# KiCad board pcb.kicad_pcb (continued)
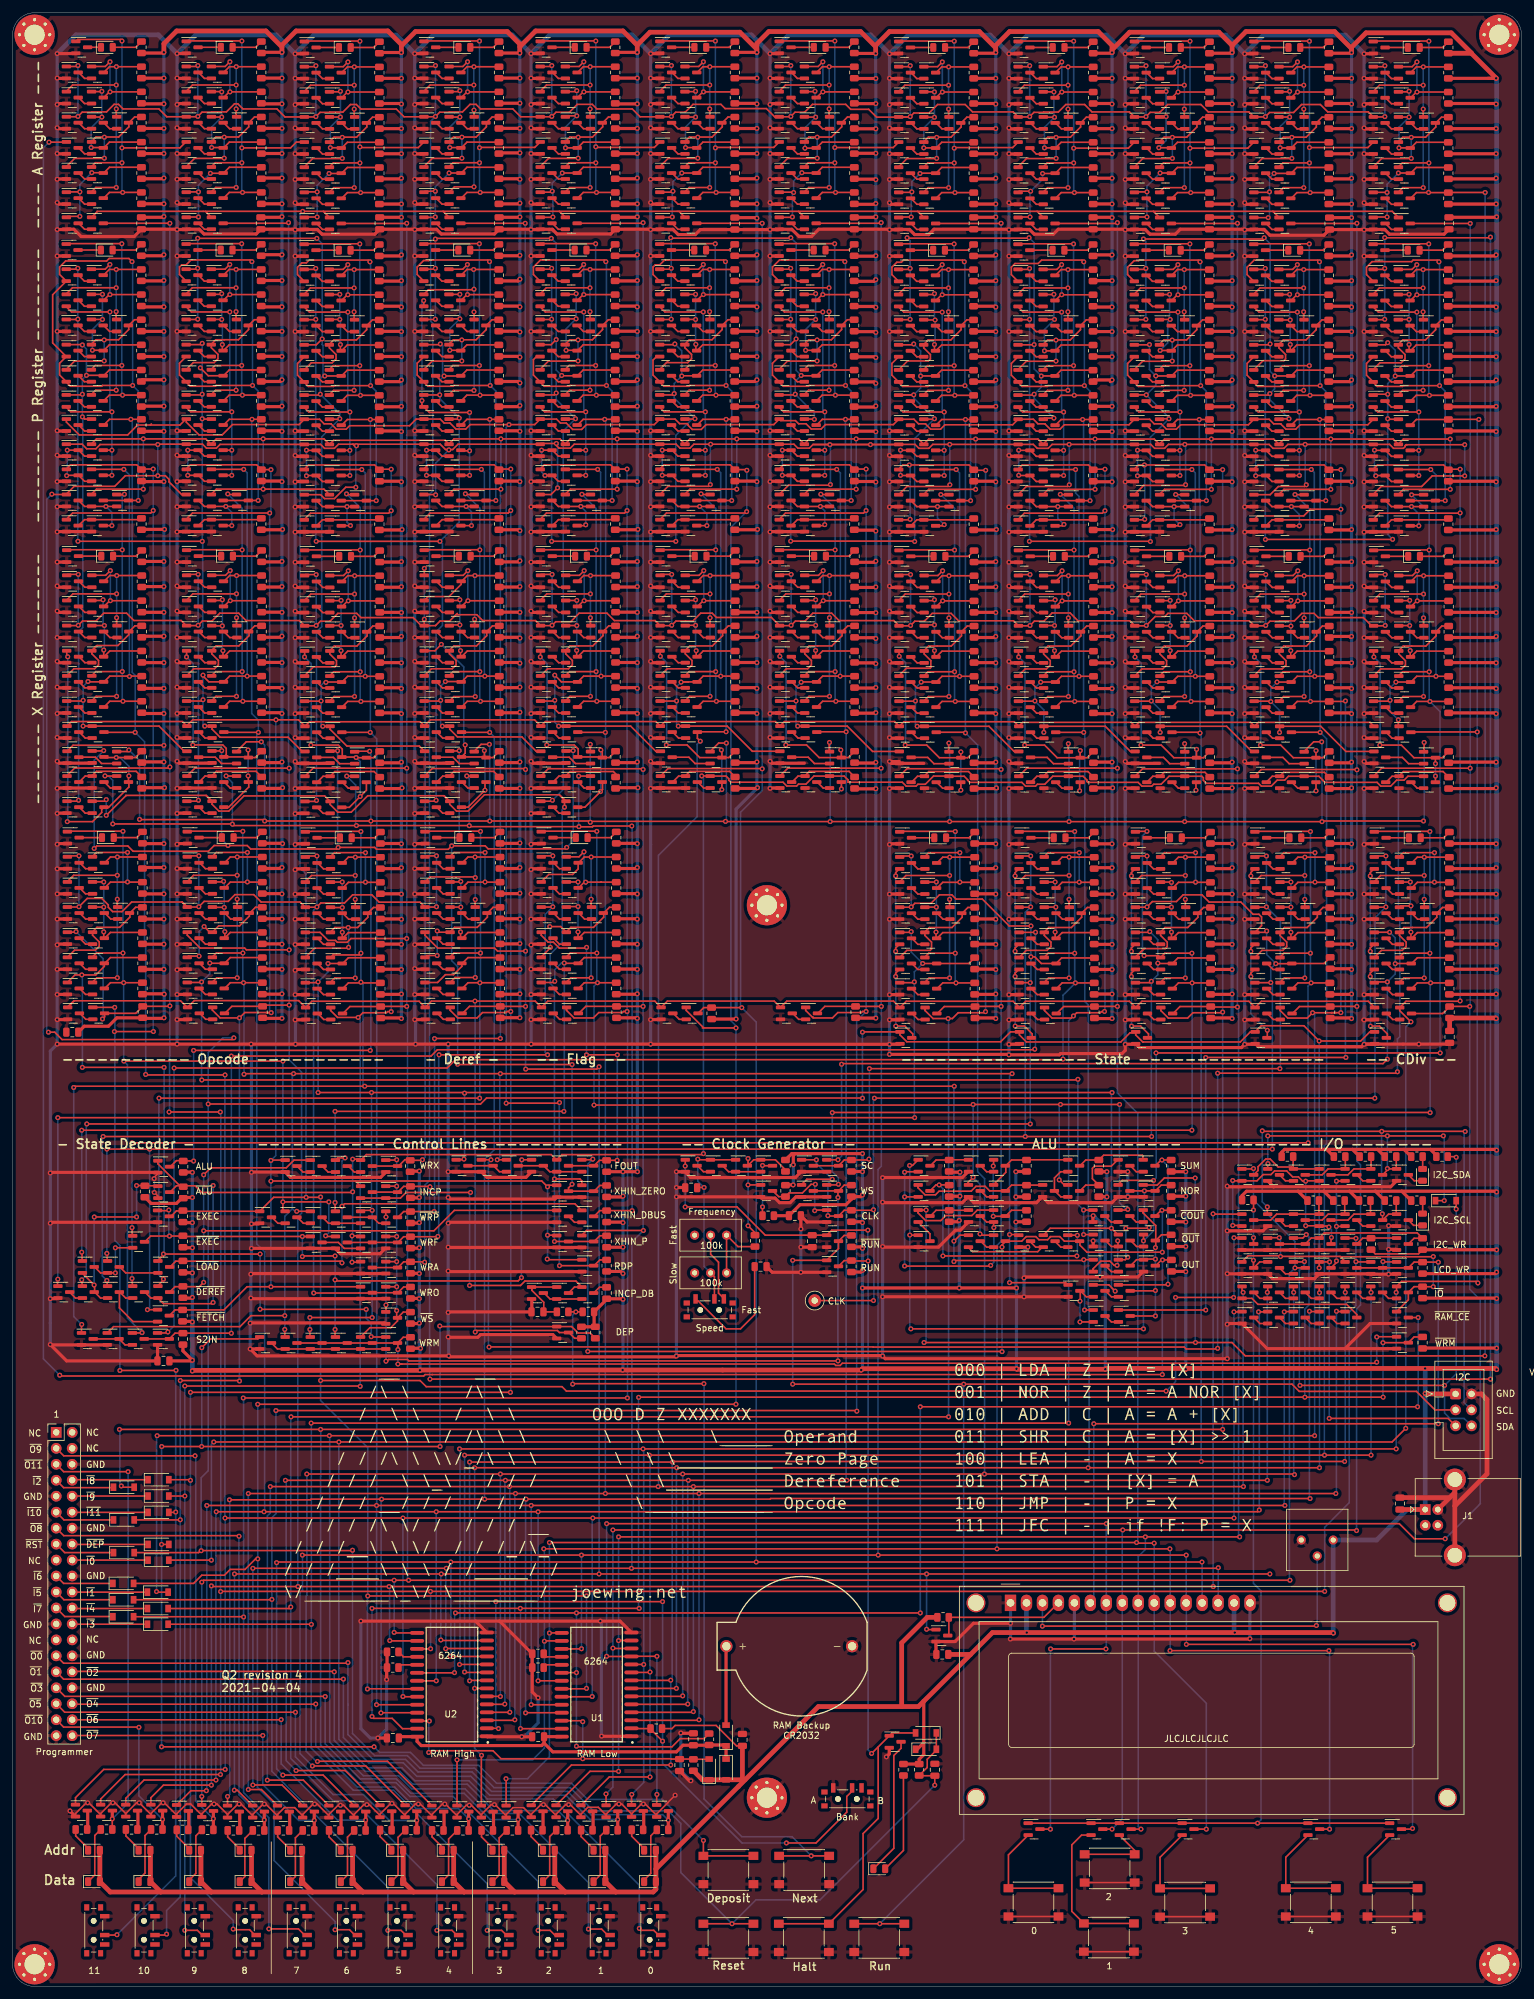
[diagram p0: board, top side]
## Routing (per net, layer and track width the routed paths; a pad name or vN(x,y) marks a point on that pad's centre or on a via; arc(x,y) is an arc through that point) (continued)
  Bottom w0.25: v1(89.95,167.78) 89.95,167.79 v1(89.95,171.81) 89.95,171.82 v1(89.95,175.73)
Net-(Q756-Pad2): length 2.4
  Top w0.25: 86.04,174.78 86.99,173.83 88.04,173.83
Net-(Q756-Pad3): length 14.6
  Top w0.25: 90.04,174.78 90.95,175.69 v1(91.17,175.69) 93.6,175.69 ; 93.65,175.69 93.65,175.71 93.66,175.72 93.63,175.72 93.6,175.69 ; 93.65,175.69 R326.2 ; 93.65,175.69 93.6,175.69 ; v1(90.9,180.53) 90.1,179.73 Q761.1
  Bottom w0.25: v1(90.9,180.53) 90.9,175.96 v1(91.17,175.69)
Net-(Q760-Pad2): length 2.4
  Top w0.25: 86.04,162.78 86.99,161.83 88.04,161.83
Net-(Q761-Pad2): length 2.4
  Top w0.25: 86.04,178.78 86.99,177.83 88.04,177.83
Net-(Q762-Pad1): length 18.6
  Top w0.25: R330.2 94.95,171.69 94.04,170.78 94.04,170.13 92.41,168.51 88.81,168.51 88.04,167.73 ; 84.04,163.73 85.55,165.25 v1(85.55,165.33) ; v1(85.45,168.63) 87.2,168.63 Q767.1
  Bottom w0.25: v1(85.45,168.63) 85.55,168.53 v1(85.55,165.33)
Net-(Q764-Pad2): length 2.4
  Top w0.25: 90.04,170.78 90.99,169.83 92.04,169.83
Net-(Q765-Pad2): length 2.4
  Top w0.25: 86.04,170.78 86.99,169.83 88.04,169.83
Net-(Q767-Pad2): length 2.4
  Top w0.25: 86.04,166.78 86.99,165.83 88.04,165.83
Net-(Q769-Pad2): length 2.4
  Top w0.25: 201.6,153.85 200.55,153.85 199.6,154.8
Net-(Q772-Pad2): length 2.4
  Top w0.25: 199.4,248.4 200.35,247.45 201.4,247.45
Net-(Q774-Pad2): length 12.1
  Top w0.25: 199.4,240.4 200.35,239.45 201.4,239.45 ; 199.4,244.4 200.35,243.45 201.4,243.45 ; v1(197.75,244.43) 197.78,244.4 Q778.3 ; Q779.3 197.8,240.4 v1(197.75,240.35)
  Bottom w0.25: v1(197.75,240.35) v1(197.75,244.43)
Net-(Q776-Pad2): length 11.3
  Top w0.25: 205.4,235.45 v1(203.43,235.45) 200.35,235.45 199.4,236.4 ; 203.4,232.4 v1(204.7,232.4)
  Bottom w0.25: v1(204.7,232.4) 204.7,234.18 v1(203.43,235.45)
Net-(Q781-Pad1): length 10.2
  Top w0.25: 209.19,233.35 200.35,233.35 199.4,232.4
Net-(Q783-Pad1): length 39.6
  Top w0.25: 197.38,269.19 198.43,270.24 v1(205.38,270.24) ; 201.38,253.19 202.13,253.94 v1(205.38,253.94) ; v1(205.38,266.44) 205.38,265.19 ; 203.38,272.24 204.29,273.15 v1(205.39,273.15) R340.2
  Bottom w0.25: v1(205.38,253.94) v1(205.38,266.44) v1(205.38,270.24) 205.38,273.14 v1(205.39,273.15)
Net-(Q783-Pad2): length 2.4
  Top w0.25: 201.38,251.29 200.33,251.29 199.38,252.24
Net-(Q784-Pad1): length 18.8
  Top w0.25: 203.38,260.24 204.29,261.15 R342.2 ; v1(203.25,265.14) 201.49,265.14 ; v1(203.15,269.23) 203.12,269.19 Q784.1 ; v1(203.25,261.24) 203.25,260.31
  Bottom w0.25: v1(203.15,269.23) 203.15,265.24 v1(203.25,265.14) v1(203.25,261.24)
Net-(Q784-Pad2): length 2.4
  Top w0.25: 199.38,268.24 200.33,267.29 201.38,267.29
Net-(Q784-Pad3): length 14.5
  Top w0.25: 203.38,268.24 204.29,269.15 v1(204.39,269.15) R337.2 ; v1(204.38,273.94) 203.63,273.19 201.38,273.19
  Bottom w0.25: v1(204.38,273.94) 204.38,269.17 v1(204.39,269.15)
Net-(Q788-Pad2): length 2.4
  Top w0.25: 199.38,256.24 200.33,255.29 201.38,255.29
Net-(Q789-Pad2): length 2.4
  Top w0.25: 201.38,271.29 200.33,271.29 199.38,272.24
Net-(Q790-Pad1): length 18.5
  Top w0.25: 203.51,261.97 202.16,261.97 201.38,261.19 ; 203.51,261.97 203.48,261.94 ; 203.51,261.97 205.75,261.97 207.38,263.59 207.38,264.24 208.29,265.15 R341.2 ; Q790.1 198.92,258.67 202.23,258.67 202.51,258.94 202.51,259.64 201.44,260.71 Q795.1
Net-(Q792-Pad2): length 2.4
  Top w0.25: 205.38,263.29 204.33,263.29 203.38,264.24
Net-(Q793-Pad2): length 2.4
  Top w0.25: 199.38,264.24 200.33,263.29 201.38,263.29
Net-(Q795-Pad2): length 2.4
  Top w0.25: 199.38,260.24 200.33,259.29 201.38,259.29
Net-(Q797-Pad2): length 2.4
  Top w0.25: 199.4,280.5 200.35,279.55 201.4,279.55
Net-(Q799-Pad1): length 39.6
  Top w0.25: v1(205.4,302.5) 198.45,302.5 197.4,301.45 ; 201.4,285.45 202.15,286.2 v1(205.4,286.2) ; 203.4,304.5 204.31,305.41 v1(205.41,305.41) R347.2 ; v1(205.4,298.7) 205.4,297.45
  Bottom w0.25: v1(205.4,286.2) v1(205.4,298.7) v1(205.4,302.5) 205.4,305.4 v1(205.41,305.41)
Net-(Q799-Pad2): length 2.4
  Top w0.25: 199.4,284.5 200.35,283.55 201.4,283.55
Net-(Q800-Pad1): length 21
  Top w0.25: R349.2 204.31,293.41 203.4,292.5 ; v1(203.15,301.53) 203.07,301.45 Q800.1 ; v1(201.65,292.53) 203.31,292.53 ; v1(203.15,297.43) 201.48,297.43
  Bottom w0.25: v1(203.15,301.53) v1(203.15,297.43) 201.65,295.93 v1(201.65,292.53)
Net-(Q800-Pad2): length 2.4
  Top w0.25: 201.4,299.55 200.35,299.55 199.4,300.5
Net-(Q800-Pad3): length 14.5
  Top w0.25: 201.4,305.45 203.65,305.45 v1(204.4,306.2) ; 203.4,300.5 204.31,301.41 v1(204.41,301.41) R344.2
  Bottom w0.25: v1(204.4,306.2) 204.4,301.42 v1(204.41,301.41)
Net-(Q804-Pad2): length 2.4
  Top w0.25: 199.4,288.5 200.35,287.55 201.4,287.55
Net-(Q805-Pad2): length 2.4
  Top w0.25: 201.4,303.55 200.35,303.55 199.4,304.5
Net-(Q806-Pad1): length 20.1
  Top w0.25: v1(203.5,290.86) 203.46,290.82 198.77,290.82 197.4,289.45 ; R348.2 208.31,297.41 207.4,296.5 207.4,295.85 205.77,294.22 203.53,294.22 ; 203.53,294.22 v1(203.5,294.2) ; 203.53,294.22 202.18,294.22 201.4,293.45
  Bottom w0.25: v1(203.5,294.2) v1(203.5,290.86)
Net-(Q808-Pad2): length 2.4
  Top w0.25: 205.4,295.55 204.35,295.55 203.4,296.5
Net-(Q809-Pad2): length 2.4
  Top w0.25: 201.4,295.55 200.35,295.55 199.4,296.5
Net-(Q811-Pad2): length 2.4
  Top w0.25: 199.4,292.5 200.35,291.55 201.4,291.55
Net-(Q813-Pad2): length 2.3
  Top w0.25: 205.4,190.65 204.45,190.65 203.5,191.6
Net-(Q814-Pad2): length 2.4
  Top w0.25: 201.5,198.6 200.45,198.6 199.5,199.55
Net-(Q815-Pad2): length 6.4
  Top w0.25: Q819.3 202.07,195.55 203.07,194.55 Q815.2
Net-(Q816-Pad3): length 11
  Top w0.25: Q816.3 200.39,192.55 Q817.1 202.19,193.17 208.69,193.17 R351.2
Net-(Q820-Pad1): length 39.6
  Top w0.25: 203.45,223.54 204.36,224.45 v1(205.46,224.45) R356.2 ; v1(205.45,217.74) 205.45,216.49 ; 201.45,204.49 202.2,205.24 v1(205.45,205.24) ; 197.45,220.49 198.5,221.54 v1(205.45,221.54)
  Bottom w0.25: v1(205.46,224.45) 205.45,224.44 v1(205.45,221.54) v1(205.45,217.74) v1(205.45,205.24)
Net-(Q820-Pad2): length 2.4
  Top w0.25: 201.45,202.59 200.4,202.59 199.45,203.54
Net-(Q821-Pad1): length 19
  Top w0.25: R358.2 204.36,212.45 203.45,211.54 ; v1(203.33,212.54) 203.33,211.59 ; Q821.1 203.31,220.49 v1(203.35,220.53) ; v1(203.35,216.44) 201.56,216.44
  Bottom w0.25: v1(203.33,212.54) 203.35,212.55 v1(203.35,216.44) v1(203.35,220.53)
Net-(Q821-Pad2): length 2.4
  Top w0.25: 201.45,218.59 200.4,218.59 199.45,219.54
Net-(Q821-Pad3): length 14.5
  Top w0.25: v1(204.45,225.24) 203.7,224.49 201.45,224.49 ; 203.45,219.54 204.36,220.45 v1(204.46,220.45) R353.2
  Bottom w0.25: v1(204.45,225.24) 204.45,220.46 v1(204.46,220.45)
Net-(Q825-Pad2): length 2.4
  Top w0.25: 201.45,206.59 200.4,206.59 199.45,207.54
Net-(Q826-Pad2): length 2.4
  Top w0.25: 199.45,223.54 200.4,222.59 201.45,222.59
Net-(Q827-Pad1): length 18.6
  Top w0.25: 203.58,213.26 202.23,213.26 201.45,212.49 ; 203.58,213.26 203.55,213.24 ; 203.58,213.26 205.82,213.26 207.45,214.89 207.45,215.54 208.36,216.45 R357.2 ; 197.45,208.49 198.59,209.62 201.96,209.62 202.58,210.24 202.58,210.94 201.51,212 Q832.1
Net-(Q829-Pad2): length 2.4
  Top w0.25: 203.45,215.54 204.4,214.59 205.45,214.59
Net-(Q830-Pad2): length 2.4
  Top w0.25: 199.45,215.54 200.4,214.59 201.45,214.59
Net-(Q832-Pad2): length 2.4
  Top w0.25: 201.45,210.59 200.4,210.59 199.45,211.54
Net-(Q834-Pad1): length 39.6
  Top w0.25: R363.2 v1(205.57,179.67) 204.47,179.67 203.56,178.76 ; v1(205.56,172.96) 205.56,171.71 ; 201.56,159.71 202.31,160.46 v1(205.56,160.46) ; v1(205.56,176.76) 198.61,176.76 197.56,175.71
  Bottom w0.25: v1(205.56,160.46) v1(205.56,172.96) v1(205.56,176.76) 205.56,179.66 v1(205.57,179.67)
Net-(Q834-Pad2): length 2.4
  Top w0.25: 201.56,157.81 200.51,157.81 199.56,158.76
Net-(Q835-Pad1): length 18.6
  Top w0.25: R365.2 204.47,167.67 203.56,166.76 ; v1(203.35,171.73) 201.64,171.73 ; v1(203.35,175.73) 203.33,175.71 Q835.1 ; v1(203.35,167.73) 203.35,166.9
  Bottom w0.25: v1(203.35,175.73) v1(203.35,171.73) v1(203.35,167.73)
Net-(Q835-Pad2): length 2.4
  Top w0.25: 199.56,174.76 200.51,173.81 201.56,173.81
Net-(Q835-Pad3): length 17.1
  Top w0.25: R360.2 207.17,175.67 ; 207.17,175.67 207.17,175.68 v1(207.19,175.7) 207.15,175.7 207.13,175.67 ; 207.17,175.67 207.13,175.67 ; v1(207.19,180.39) 202.25,180.39 201.56,179.71 ; 207.13,175.67 204.47,175.67 203.56,174.76
  Bottom w0.25: v1(207.19,175.7) v1(207.19,180.39)
Net-(Q839-Pad2): length 2.4
  Top w0.25: 201.56,161.81 200.51,161.81 199.56,162.76
Net-(Q840-Pad2): length 2.4
  Top w0.25: 199.56,178.76 200.51,177.81 201.56,177.81
Net-(Q841-Pad1): length 18.5
  Top w0.25: 201.56,167.71 202.34,168.48 205.94,168.48 207.56,170.11 207.56,170.76 208.47,171.67 R364.2 ; Q841.1 198.76,164.84 202.07,164.84 202.69,165.46 202.69,166.16 201.62,167.22 Q846.1
Net-(Q843-Pad2): length 2.4
  Top w0.25: 205.56,169.81 204.51,169.81 203.56,170.76
Net-(Q844-Pad2): length 2.4
  Top w0.25: 201.56,169.81 200.51,169.81 199.56,170.76
Net-(Q846-Pad2): length 2.4
  Top w0.25: 199.56,166.76 200.51,165.81 201.56,165.81
Net-(Q850-Pad3): length 6.7
  Top w0.25: Q850.3 214.76,119.05 R484.2 ; Q852.1 216.12,119.08
Net-(Q856-Pad2): length 17.9
  Top w0.25: SW14.1 SW14.1 215.54,20.55 Q856.2
Net-(Q857-Pad2): length 17.9
  Top w0.25: SW15.1 SW15.1 202.54,20.55 Q857.2
Net-(Q858-Pad2): length 17.9
  Top w0.25: SW16.1 SW16.1 182.54,20.55 Q858.2
Net-(Q859-Pad2): length 12
  Top w0.25: SW17.1 SW17.1 178.5,21.64 Q859.2
Net-(Q860-Pad2): length 25
  Top w0.25: SW18.1 SW18.1 168.5,11.95 168.5,22.53 170.05,24.08 Q860.2
Net-(Q861-Pad2): length 17.7
  Top w0.25: SW19.1 SW19.1 158.42,20.93 Q861.2
Net-(Q862-Pad3): length 2.9
  Top w0.5: 60.38,27.87 60.38,24.96
Net-(Q864-Pad3): length 2.9
  Top w0.5: 11.95,27.98 11.95,25.06
Net-(Q866-Pad3): length 2.9
  Top w0.5: 68.64,27.82 68.64,24.91
Net-(Q868-Pad3): length 2.9
  Top w0.5: 19.94,27.97 19.94,25.06
Net-(Q870-Pad3): length 2.9
  Top w0.5: 76.51,27.82 76.51,24.91
Net-(Q872-Pad3): length 2.9
  Top w0.5: 28.03,27.92 28.03,25.01
Net-(Q874-Pad3): length 2.9
  Top w0.5: 84.39,27.87 84.39,24.96
Net-(Q876-Pad3): length 2.9
  Top w0.5: 36.13,27.82 36.13,24.91
Net-(Q878-Pad3): length 2.9
  Top w0.5: 92.35,27.87 92.35,24.96
Net-(Q880-Pad3): length 2.9
  Top w0.5: 44.08,27.82 44.08,24.91
Net-(Q882-Pad3): length 2.9
  Top w0.5: 100.4,27.92 100.4,25.01
Net-(Q884-Pad3): length 2.9
  Top w0.5: 52.25,27.82 52.25,24.91
Net-(Q886-Pad2): length 2.4
  Top w0.25: 220.6,153.85 219.55,153.85 218.6,154.8
Net-(Q889-Pad2): length 2.4
  Top w0.25: 220.4,247.45 219.35,247.45 218.4,248.4
Net-(Q891-Pad2): length 12.2
  Top w0.25: 218.4,244.4 219.35,243.45 220.4,243.45 ; 218.4,240.4 219.35,239.45 220.4,239.45 ; Q895.3 216.68,244.4 v1(216.65,244.43) ; v1(216.85,240.35) 216.9,240.4 Q896.3
  Bottom w0.25: v1(216.85,240.35) 216.65,240.55 v1(216.65,244.43)
Net-(Q893-Pad2): length 11.2
  Top w0.25: 218.4,236.4 219.35,235.45 v1(222.53,235.45) 224.4,235.45 ; 222.4,232.4 v1(223.7,232.4)
  Bottom w0.25: v1(223.7,232.4) 223.7,234.28 v1(222.53,235.45)
Net-(Q898-Pad1): length 10.2
  Top w0.25: 218.4,232.4 219.35,233.35 228.19,233.35
Net-(Q900-Pad1): length 39.6
  Top w0.25: 222.38,272.24 223.29,273.15 v1(224.39,273.15) R404.2 ; 216.38,269.19 217.43,270.24 v1(224.38,270.24) ; v1(224.38,266.44) 224.38,265.19 ; 220.38,253.19 221.13,253.94 v1(224.38,253.94)
  Bottom w0.25: v1(224.38,253.94) v1(224.38,266.44) v1(224.38,270.24) 224.38,273.14 v1(224.39,273.15)
Net-(Q900-Pad2): length 2.4
  Top w0.25: 220.38,251.29 219.33,251.29 218.38,252.24
Net-(Q901-Pad1): length 18.6
  Top w0.25: 222.38,260.24 223.29,261.15 R406.2 ; v1(222.15,265.23) 220.48,265.23 ; v1(222.15,269.23) 222.12,269.19 Q901.1 ; v1(222.15,261.24) 222.15,260.41
  Bottom w0.25: v1(222.15,269.23) v1(222.15,265.23) v1(222.15,261.24)
Net-(Q901-Pad2): length 2.4
  Top w0.25: 220.38,267.29 219.33,267.29 218.38,268.24
Net-(Q901-Pad3): length 14.5
  Top w0.25: 222.38,268.24 223.29,269.15 v1(223.39,269.15) R401.2 ; v1(223.38,273.94) 222.63,273.19 220.38,273.19
  Bottom w0.25: v1(223.38,273.94) 223.38,269.17 v1(223.39,269.15)
Net-(Q905-Pad2): length 2.4
  Top w0.25: 218.38,256.24 219.33,255.29 220.38,255.29
Net-(Q906-Pad2): length 2.4
  Top w0.25: 220.38,271.29 219.33,271.29 218.38,272.24
Net-(Q907-Pad1): length 18.5
  Top w0.25: 220.38,261.19 221.16,261.97 224.75,261.97 226.38,263.59 226.38,264.24 227.29,265.15 R405.2 ; Q912.1 220.44,260.71 221.51,259.64 221.51,258.94 220.89,258.33 217.52,258.33 216.44,257.25
Net-(Q909-Pad2): length 2.4
  Top w0.25: 224.38,263.29 223.33,263.29 222.38,264.24
Net-(Q910-Pad2): length 2.4
  Top w0.25: 218.38,264.24 219.33,263.29 220.38,263.29
Net-(Q912-Pad2): length 2.4
  Top w0.25: 220.38,259.29 219.33,259.29 218.38,260.24
Net-(Q914-Pad2): length 2.4
  Top w0.25: 218.4,280.5 219.35,279.55 220.4,279.55
Net-(Q916-Pad1): length 39.6
  Top w0.25: 220.4,285.45 221.15,286.2 v1(224.4,286.2) ; v1(224.4,298.7) 224.4,297.45 ; R411.2 v1(224.41,305.41) 223.31,305.41 222.4,304.5 ; v1(224.4,302.5) 217.45,302.5 216.4,301.45
  Bottom w0.25: v1(224.4,286.2) v1(224.4,298.7) v1(224.4,302.5) 224.4,305.4 v1(224.41,305.41)
Net-(Q916-Pad2): length 2.4
  Top w0.25: 220.4,283.55 219.35,283.55 218.4,284.5
Net-(Q917-Pad1): length 21.2
  Top w0.25: R413.2 223.31,293.41 222.4,292.5 ; v1(222.15,301.53) 222.07,301.45 Q917.1 ; v1(220.55,292.53) 222.31,292.53 ; v1(222.15,297.43) 220.48,297.43
  Bottom w0.25: v1(222.15,301.53) v1(222.15,297.43) 220.55,295.83 v1(220.55,292.53)
Net-(Q917-Pad2): length 2.4
  Top w0.25: 220.4,299.55 219.35,299.55 218.4,300.5
Net-(Q917-Pad3): length 14.5
  Top w0.25: 220.4,305.45 222.65,305.45 v1(223.4,306.2) ; R408.2 v1(223.41,301.41) 223.31,301.41 222.4,300.5
  Bottom w0.25: v1(223.4,306.2) 223.4,301.42 v1(223.41,301.41)
Net-(Q921-Pad2): length 2.4
  Top w0.25: 220.4,287.55 219.35,287.55 218.4,288.5
Net-(Q922-Pad2): length 2.4
  Top w0.25: 220.4,303.55 219.35,303.55 218.4,304.5
Net-(Q923-Pad1): length 20.1
  Top w0.25: 216.4,289.45 217.77,290.82 222.46,290.82 v1(222.5,290.86) ; 222.53,294.22 v1(222.5,294.2) ; 222.53,294.22 224.77,294.22 226.4,295.85 226.4,296.5 227.31,297.41 R412.2 ; 222.53,294.22 221.18,294.22 220.4,293.45
  Bottom w0.25: v1(222.5,294.2) v1(222.5,290.86)
Net-(Q925-Pad2): length 2.4
  Top w0.25: 224.4,295.55 223.35,295.55 222.4,296.5
Net-(Q926-Pad2): length 2.4
  Top w0.25: 220.4,295.55 219.35,295.55 218.4,296.5
Net-(Q928-Pad2): length 2.4
  Top w0.25: 218.4,292.5 219.35,291.55 220.4,291.55
Net-(Q930-Pad2): length 2.3
  Top w0.25: 224.4,190.65 223.45,190.65 222.5,191.6
Net-(Q931-Pad2): length 2.4
  Top w0.25: 218.5,199.55 219.45,198.6 220.5,198.6
Net-(Q932-Pad2): length 6.4
  Top w0.25: 218.5,195.55 221.07,195.55 222.07,194.55 Q932.2
Net-(Q933-Pad3): length 11
  Top w0.25: R415.2 227.56,193.29 221.25,193.29 220.5,192.55 219.45,192.55 218.5,191.6
Net-(Q937-Pad1): length 39.6
  Top w0.25: R420.2 v1(224.46,224.45) 223.36,224.45 222.45,223.54 ; v1(224.45,217.74) 224.45,216.49 ; v1(224.45,205.24) 221.2,205.24 220.45,204.49 ; 216.45,220.49 217.5,221.54 v1(224.45,221.54)
  Bottom w0.25: v1(224.46,224.45) 224.45,224.44 v1(224.45,221.54) v1(224.45,217.74) v1(224.45,205.24)
Net-(Q937-Pad2): length 2.4
  Top w0.25: 220.45,202.59 219.4,202.59 218.45,203.54
Net-(Q938-Pad1): length 18.8
  Top w0.25: 222.45,211.54 223.36,212.45 R422.2 ; v1(222.25,220.53) 222.21,220.49 Q938.1 ; v1(222.33,212.54) 222.33,211.59 ; v1(222.25,216.53) 220.55,216.53
  Bottom w0.25: v1(222.25,220.53) v1(222.25,216.53) 222.25,212.62 v1(222.33,212.54)
Net-(Q938-Pad2): length 2.4
  Top w0.25: 220.45,218.59 219.4,218.59 218.45,219.54
Net-(Q938-Pad3): length 14.5
  Top w0.25: v1(223.45,225.24) 222.7,224.49 220.45,224.49 ; 222.45,219.54 223.36,220.45 v1(223.46,220.45) R417.2
  Bottom w0.25: v1(223.46,220.45) 223.45,220.46 v1(223.45,225.24)
Net-(Q942-Pad2): length 2.4
  Top w0.25: 218.45,207.54 219.4,206.59 220.45,206.59
Net-(Q943-Pad2): length 2.4
  Top w0.25: 218.45,223.54 219.4,222.59 220.45,222.59
Net-(Q944-Pad1): length 18.5
  Top w0.25: 222.58,213.26 221.23,213.26 220.45,212.49 ; 222.58,213.26 222.55,213.24 ; 222.58,213.26 224.82,213.26 226.45,214.89 226.45,215.54 227.36,216.45 R421.2 ; Q949.1 220.51,211.99 221.58,210.93 221.58,210.24 220.96,209.62 217.65,209.62 Q944.1
Net-(Q946-Pad2): length 2.4
  Top w0.25: 224.45,214.59 223.4,214.59 222.45,215.54
Net-(Q947-Pad2): length 2.4
  Top w0.25: 220.45,214.59 219.4,214.59 218.45,215.54
Net-(Q949-Pad2): length 2.4
  Top w0.25: 220.45,210.59 219.4,210.59 218.45,211.54
Net-(Q951-Pad2): length 2.4
  Top w0.25: 124.1,154.82 125.05,153.87 126.1,153.87
Net-(Q953-Pad1): length 39.6
  Top w0.25: R429.2 v1(224.57,179.67) 223.47,179.67 222.56,178.76 ; v1(224.56,172.96) 224.56,171.71 ; 216.56,175.71 217.61,176.76 v1(224.56,176.76) ; 220.56,159.71 221.31,160.46 v1(224.56,160.46)
  Bottom w0.25: v1(224.57,179.67) 224.56,179.66 v1(224.56,176.76) v1(224.56,172.96) v1(224.56,160.46)
Net-(Q953-Pad2): length 2.4
  Top w0.25: 220.56,157.81 219.51,157.81 218.56,158.76
Net-(Q954-Pad1): length 19
  Top w0.25: 222.56,166.76 223.47,167.67 R431.2 ; Q954.1 222.33,175.71 v1(222.35,175.73) ; v1(222.45,171.93) 220.84,171.93 Q963.1 ; v1(222.44,167.76) 222.44,166.81
  Bottom w0.25: v1(222.35,175.73) 222.35,172.03 v1(222.45,171.93) 222.45,167.76 v1(222.44,167.76)
Net-(Q954-Pad2): length 2.4
  Top w0.25: 218.56,174.76 219.51,173.81 220.56,173.81
Net-(Q954-Pad3): length 17.1
  Top w0.25: R426.2 226.17,175.67 ; 226.17,175.67 226.17,175.68 v1(226.19,175.7) 226.15,175.7 226.13,175.67 ; 226.17,175.67 226.13,175.67 ; 222.56,174.76 223.47,175.67 226.13,175.67 ; v1(226.19,180.39) 221.25,180.39 220.56,179.71
  Bottom w0.25: v1(226.19,175.7) v1(226.19,180.39)
Net-(Q958-Pad2): length 2.4
  Top w0.25: 218.56,162.76 219.51,161.81 220.56,161.81
Net-(Q959-Pad2): length 2.4
  Top w0.25: 220.56,177.81 219.51,177.81 218.56,178.76
Net-(Q960-Pad1): length 18.5
  Top w0.25: 222.69,168.48 224.94,168.48 226.56,170.11 226.56,170.76 227.47,171.67 R430.2 ; 222.69,168.48 221.34,168.48 220.56,167.71 ; 222.69,168.48 222.66,168.46 ; Q965.1 220.62,167.22 221.69,166.16 221.69,165.46 221.07,164.84 217.76,164.84 Q960.1
Net-(Q962-Pad2): length 2.4
  Top w0.25: 222.56,170.76 223.51,169.81 224.56,169.81
Net-(Q963-Pad2): length 2.4
  Top w0.25: 220.56,169.81 219.51,169.81 218.56,170.76
Net-(Q965-Pad2): length 2.4
  Top w0.25: 218.56,166.76 219.51,165.81 220.56,165.81
Net-(Q967-Pad2): length 2.4
  Top w0.25: 105.1,154.82 106.05,153.87 107.1,153.87
Net-(Q969-Pad1): length 39.6
  Top w0.25: v1(110.9,298.72) 110.9,297.47 ; 102.9,301.47 103.95,302.52 v1(110.9,302.52) ; v1(110.9,286.22) 107.65,286.22 106.9,285.47 ; 108.9,304.52 109.81,305.43 v1(110.91,305.43) R438.2
  Bottom w0.25: v1(110.91,305.43) 110.9,305.42 v1(110.9,302.52) v1(110.9,298.72) v1(110.9,286.22)
Net-(Q969-Pad2): length 2.4
  Top w0.25: 104.9,284.52 105.85,283.57 106.9,283.57
Net-(Q970-Pad1): length 21.1
  Top w0.25: R440.2 109.81,293.43 108.9,292.52 ; v1(108.65,297.43) 107.01,297.43 ; v1(107.05,292.57) 108.79,292.57 ; Q970.1 108.59,301.47 v1(108.65,301.53)
  Bottom w0.25: v1(108.65,301.53) v1(108.65,297.43) 107.05,295.83 v1(107.05,292.57)
Net-(Q970-Pad2): length 2.4
  Top w0.25: 106.9,299.57 105.85,299.57 104.9,300.52
Net-(Q970-Pad3): length 14.5
  Top w0.25: R435.2 v1(109.91,301.43) 109.81,301.43 108.9,300.52 ; 106.9,305.47 109.15,305.47 v1(109.9,306.22)
  Bottom w0.25: v1(109.9,306.22) 109.9,301.45 v1(109.91,301.43)
Net-(Q974-Pad2): length 2.4
  Top w0.25: 104.9,288.52 105.85,287.57 106.9,287.57
Net-(Q975-Pad2): length 2.4
  Top w0.25: 104.9,304.52 105.85,303.57 106.9,303.57
Net-(Q976-Pad1): length 20.1
  Top w0.25: 109.03,294.25 107.68,294.25 106.9,293.47 ; 109.03,294.25 111.28,294.25 112.9,295.87 112.9,296.52 113.81,297.43 R439.2 ; 109.03,294.25 v1(109,294.22) ; v1(109,290.88) 108.96,290.85 104.27,290.85 102.9,289.47
  Bottom w0.25: v1(109,294.22) v1(109,290.88)
Net-(Q978-Pad2): length 2.4
  Top w0.25: 108.9,296.52 109.85,295.57 110.9,295.57
Net-(Q979-Pad2): length 2.4
  Top w0.25: 106.9,295.57 105.85,295.57 104.9,296.52
Net-(Q981-Pad2): length 2.4
  Top w0.25: 106.9,291.57 105.85,291.57 104.9,292.52
Net-(Q983-Pad2): length 2.3
  Top w0.25: 110.9,190.67 109.95,190.67 109,191.62
Net-(Q984-Pad2): length 2.4
  Top w0.25: 107,198.62 105.95,198.62 105,199.57
Net-(Q985-Pad2): length 6.4
  Top w0.25: 108.54,194.57 110.9,194.57 ; 105,195.57 107.58,195.57 108.58,194.57
Net-(Q986-Pad3): length 11
  Top w0.25: 105,191.62 105.95,192.57 107,192.57 107.75,193.32 114.06,193.32 R442.2
Net-(Q990-Pad1): length 39.6
  Top w0.25: v1(110.95,221.56) 104,221.56 102.95,220.51 ; 106.95,204.51 107.7,205.26 v1(110.95,205.26) ; R447.2 v1(110.96,224.47) 109.86,224.47 108.95,223.56 ; v1(110.95,217.76) 110.95,216.51
  Bottom w0.25: v1(110.95,205.26) v1(110.95,217.76) v1(110.95,221.56) 110.95,224.46 v1(110.96,224.47)
Net-(Q990-Pad2): length 2.4
  Top w0.25: 104.95,203.56 105.9,202.61 106.95,202.61
Net-(Q991-Pad2): length 2.4
  Top w0.25: 106.95,218.61 105.9,218.61 104.95,219.56
Net-(Q991-Pad3): length 14.5
  Top w0.25: R444.2 v1(109.96,220.47) 109.86,220.47 108.95,219.56 ; 106.95,224.51 109.2,224.51 v1(109.95,225.26)
  Bottom w0.25: v1(109.95,225.26) 109.95,220.49 v1(109.96,220.47)
Net-(Q995-Pad2): length 2.4
  Top w0.25: 106.95,206.61 105.9,206.61 104.95,207.56
Net-(Q996-Pad2): length 2.4
  Top w0.25: 106.95,222.61 105.9,222.61 104.95,223.56
Net-(Q1000-Pad1): length 18.6
  Top w0.25: R449.2 109.86,212.47 108.95,211.56 ; v1(108.65,220.63) 108.53,220.51 Q991.1 ; v1(108.65,216.56) 107.06,216.56 ; v1(108.75,212.53) 108.75,211.7
  Bottom w0.25: v1(108.65,220.63) v1(108.65,216.56) 108.65,212.63 v1(108.75,212.53)
Net-(Q1000-Pad2): length 2.4
  Top w0.25: 106.95,214.61 105.9,214.61 104.95,215.56
Net-(Q1000-Pad3): length 2.4
  Top w0.25: 110.95,214.61 109.9,214.61 108.95,215.56
Net-(Q1002-Pad1): length 18.5
  Top w0.25: R448.2 113.86,216.47 112.95,215.56 112.95,214.91 111.32,213.29 107.73,213.29 106.95,212.51 ; Q1002.1 107.01,212.03 108.08,210.96 108.08,210.26 107.46,209.65 104.15,209.65 Q997.1
Net-(Q1002-Pad2): length 2.4
  Top w0.25: 104.95,211.56 105.9,210.61 106.95,210.61
Net-(Q1004-Pad2): length 2.4
  Top w0.25: 104.9,280.52 105.85,279.57 106.9,279.57
Net-(Q1006-Pad2): length 2.4
  Top w0.25: 106.9,247.47 105.85,247.47 104.9,248.42
Net-(Q1008-Pad2): length 11.8
  Top w0.25: 106.9,243.47 105.85,243.47 104.9,244.42 103.35,244.42 v1(103.35,244.43) ; 106.9,239.47 105.85,239.47 104.9,240.42 ; Q1013.3 103.35,240.42 v1(103.35,240.43)
  Bottom w0.25: v1(103.35,240.43) v1(103.35,244.43)
Net-(Q1010-Pad2): length 11.5
  Top w0.25: 104.9,236.42 105.85,235.47 v1(109.29,235.47) 110.9,235.47 ; 108.9,232.42 110.44,232.42 v1(110.45,232.43)
  Bottom w0.25: v1(109.29,235.47) 110.45,234.32 v1(110.45,232.43)
Net-(Q1015-Pad1): length 10.2
  Top w0.25: 114.69,233.37 105.85,233.37 104.9,232.42
Net-(Q1017-Pad1): length 39.6
  Top w0.25: 121.88,269.22 122.93,270.27 v1(129.88,270.27) ; v1(129.88,266.47) 129.88,265.22 ; R456.2 v1(129.89,273.18) 128.79,273.18 127.88,272.27 ; 125.88,253.22 126.63,253.97 v1(129.88,253.97)
  Bottom w0.25: v1(129.88,253.97) v1(129.88,266.47) v1(129.88,270.27) 129.88,273.17 v1(129.89,273.18)
Net-(Q1017-Pad2): length 2.4
  Top w0.25: 123.88,252.27 124.83,251.32 125.88,251.32
Net-(Q1018-Pad1): length 21.3
  Top w0.25: R458.2 128.79,261.18 127.88,260.27 ; v1(127.75,265.23) 125.95,265.23 ; Q1018.1 127.64,269.22 v1(127.75,269.33) ; v1(126.15,260.32) 127.77,260.32
  Bottom w0.25: v1(126.15,260.32) 126.15,263.63 v1(127.75,265.23) v1(127.75,269.33)
Net-(Q1018-Pad2): length 2.4
  Top w0.25: 123.88,268.27 124.83,267.32 125.88,267.32
Net-(Q1018-Pad3): length 14.5
  Top w0.25: R453.2 v1(128.89,269.18) 128.79,269.18 127.88,268.27 ; 125.88,273.22 128.13,273.22 v1(128.88,273.97)
  Bottom w0.25: v1(128.89,269.18) 128.88,269.19 v1(128.88,273.97)
Net-(Q1022-Pad2): length 2.4
  Top w0.25: 125.88,255.32 124.83,255.32 123.88,256.27
Net-(Q1023-Pad2): length 2.4
  Top w0.25: 125.88,271.32 124.83,271.32 123.88,272.27
Net-(Q1024-Pad1): length 20.1
  Top w0.25: 121.88,257.22 123.25,258.59 127.94,258.59 v1(127.98,258.63) ; 128.01,261.99 v1(127.98,261.97) ; 128.01,261.99 130.25,261.99 131.88,263.62 131.88,264.27 132.79,265.18 R457.2 ; 128.01,261.99 126.66,261.99 125.88,261.22
  Bottom w0.25: v1(127.98,261.97) v1(127.98,258.63)
Net-(Q1026-Pad2): length 2.4
  Top w0.25: 129.88,263.32 128.83,263.32 127.88,264.27
Net-(Q1027-Pad2): length 2.4
  Top w0.25: 125.88,263.32 124.83,263.32 123.88,264.27
Net-(Q1029-Pad2): length 2.4
  Top w0.25: 125.88,259.32 124.83,259.32 123.88,260.27
Net-(Q1031-Pad2): length 2.4
  Top w0.25: 125.9,279.57 124.85,279.57 123.9,280.52
Net-(Q1033-Pad1): length 39.6
  Top w0.25: R463.2 v1(129.91,305.43) 128.81,305.43 127.9,304.52 ; 125.9,285.47 126.65,286.22 v1(129.9,286.22) ; 121.9,301.47 122.95,302.52 v1(129.9,302.52) ; v1(129.9,298.72) 129.9,297.47
  Bottom w0.25: v1(129.9,286.22) v1(129.9,298.72) v1(129.9,302.52) 129.9,305.42 v1(129.91,305.43)
Net-(Q1033-Pad2): length 2.4
  Top w0.25: 125.9,283.57 124.85,283.57 123.9,284.52
Net-(Q1034-Pad1): length 21.4
  Top w0.25: R465.2 128.81,293.43 127.9,292.52 ; Q1034.1 127.59,301.47 v1(127.65,301.53) ; v1(127.75,297.42) 126.01,297.42 ; v1(126.05,292.47) 127.79,292.47
  Bottom w0.25: v1(126.05,292.47) 126.05,295.72 v1(127.75,297.42) 127.65,297.52 v1(127.65,301.53)
